# KiCad board FPGA_module.kicad_pcb
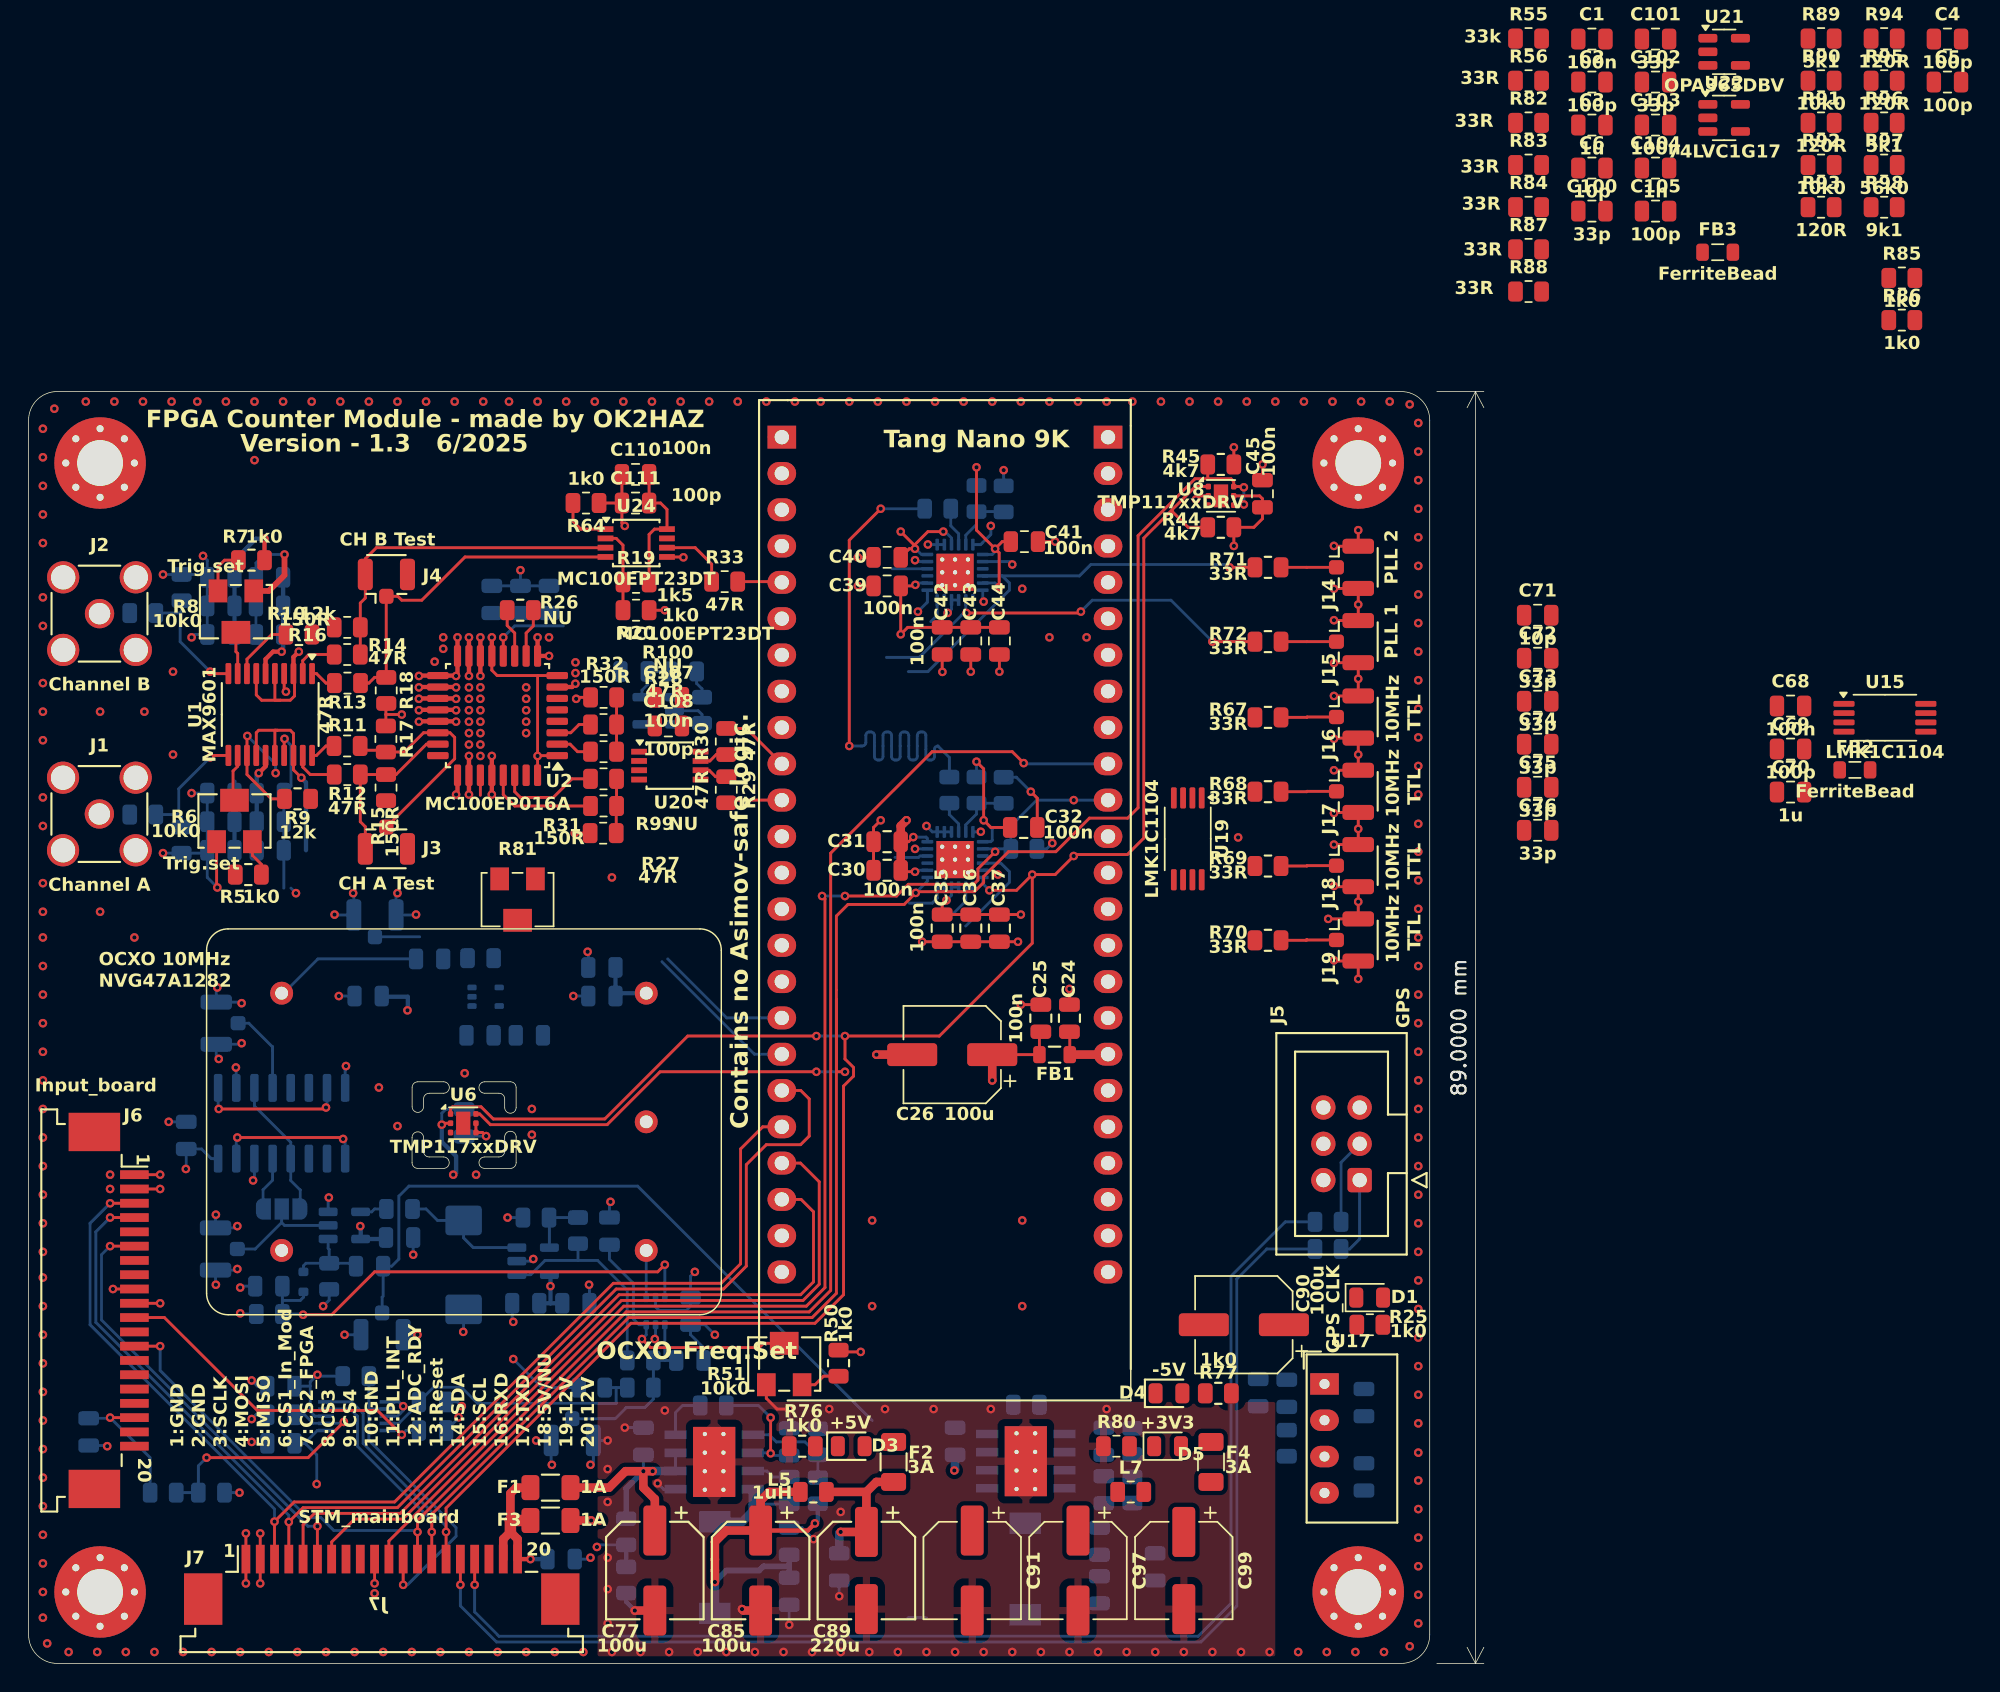
[diagram p0: board, top side]
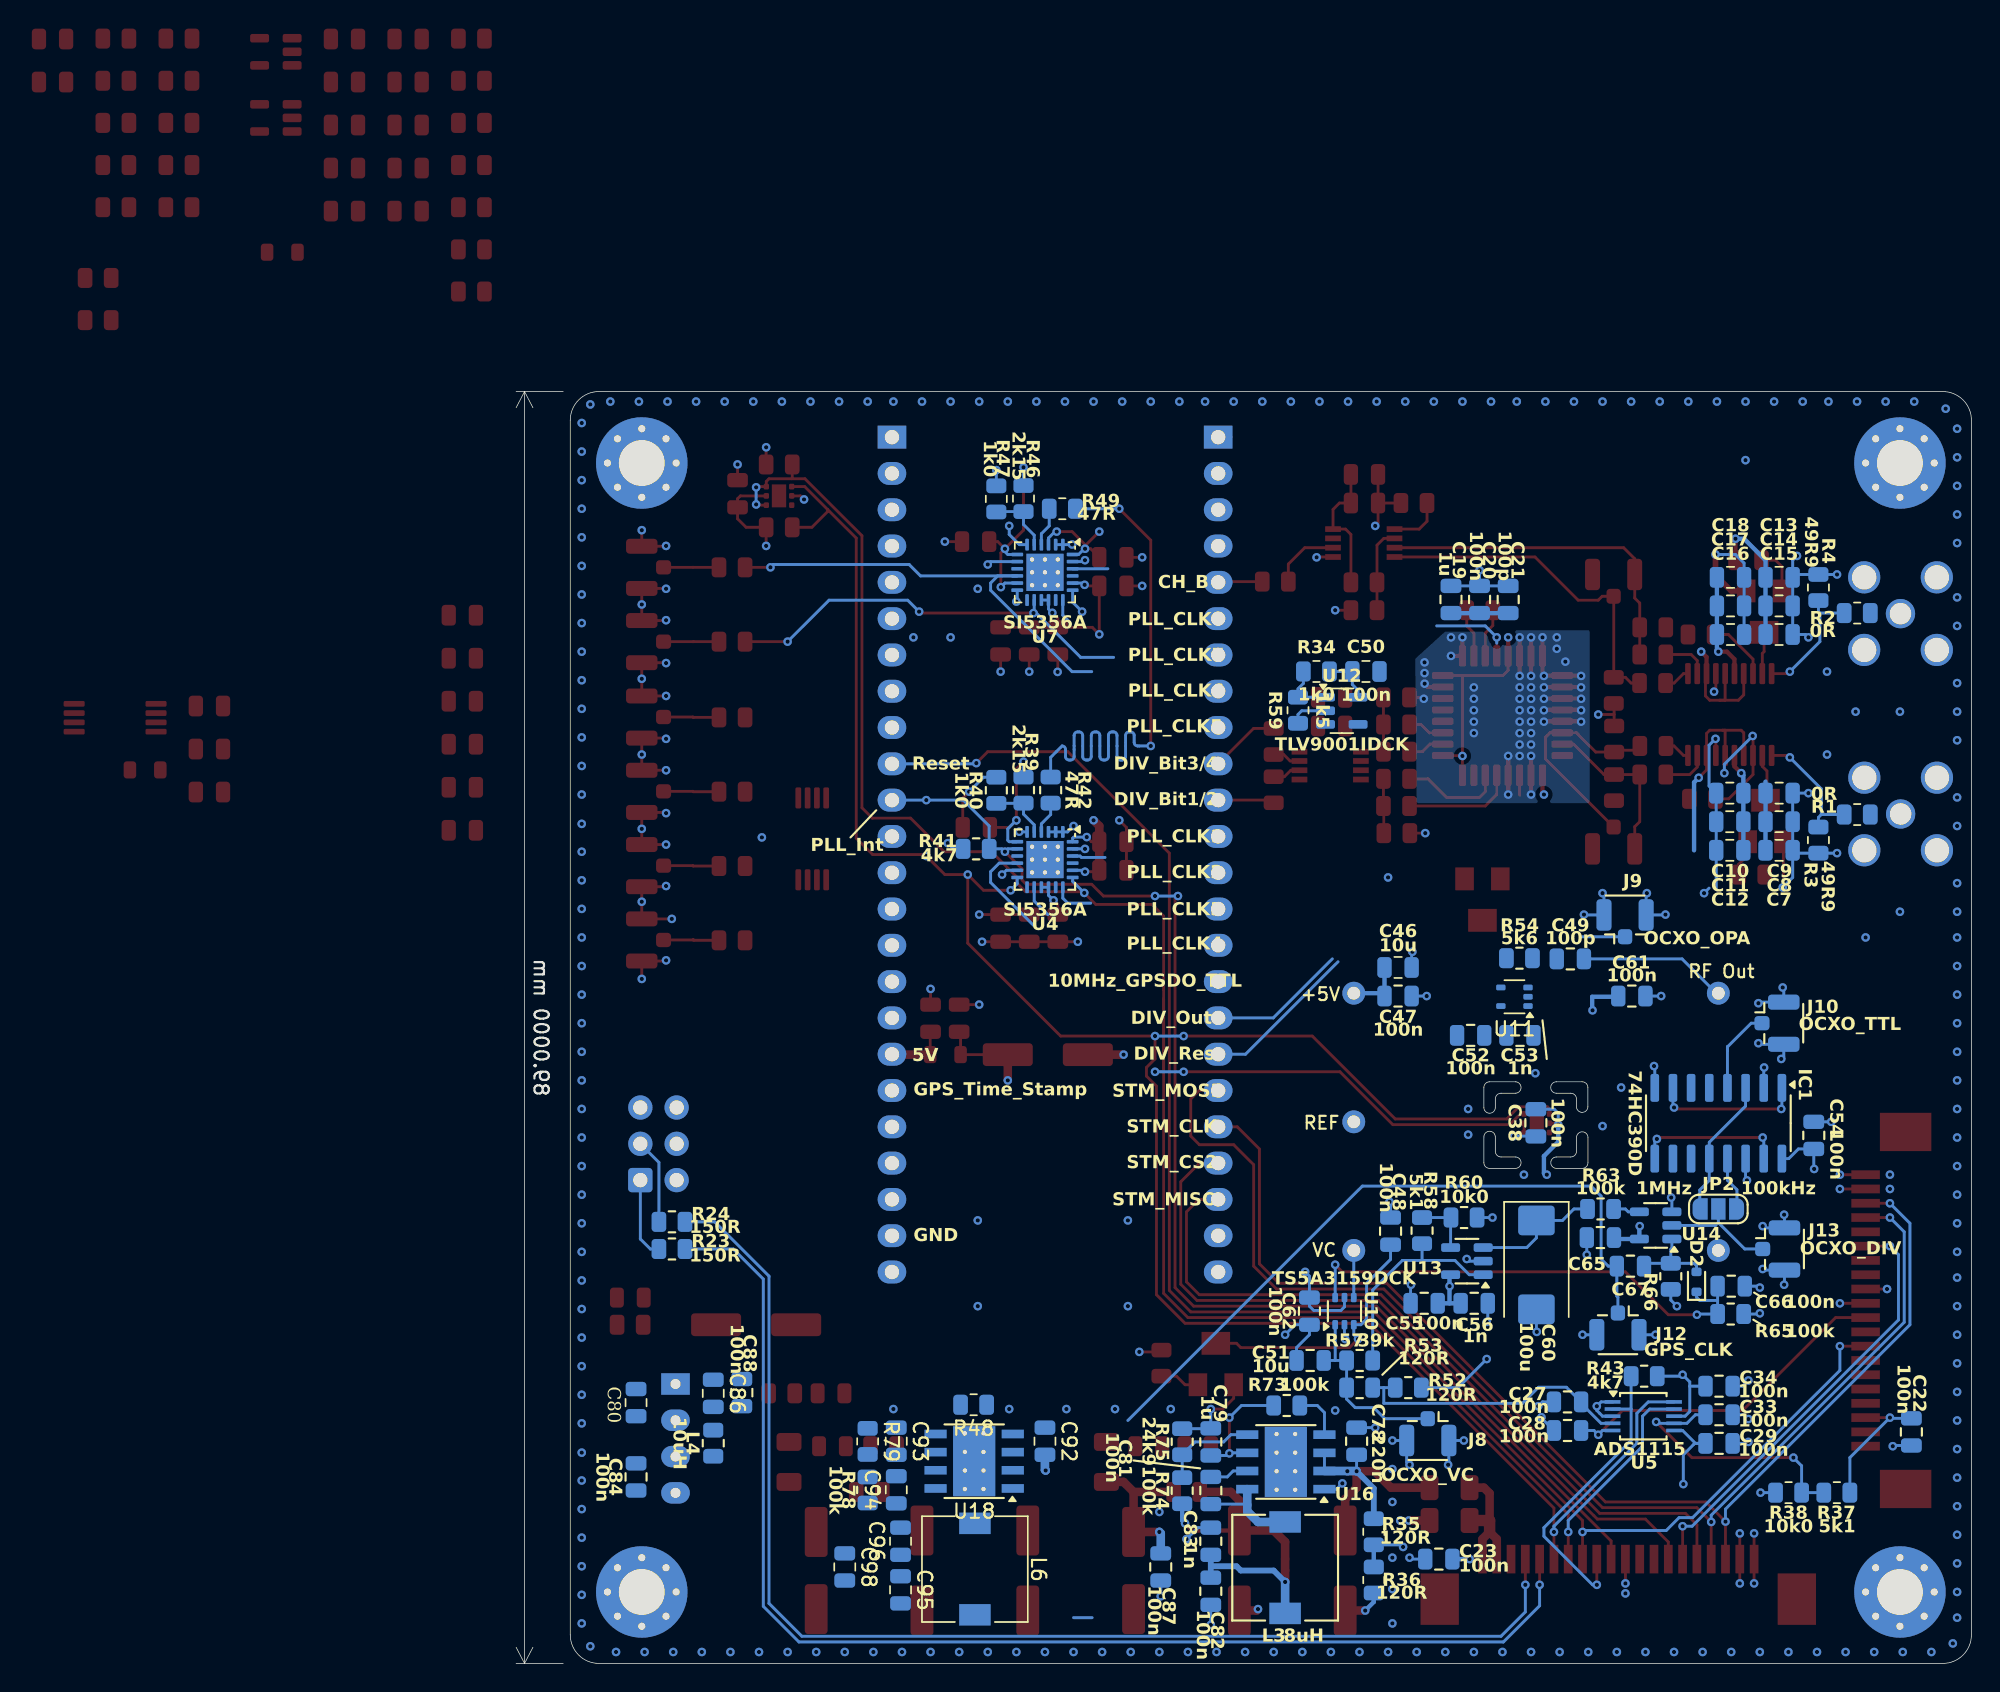
[diagram p1: board, bottom side, seen from below]

Outline 98 x 89 mm; copper layers: Top, In1.Cu, In2.Cu, Bottom. Coordinates in mm from the lower left corner of the outline.
Outline path: 0,87 arc(0.59,88.41) 2,89 96,89 arc(97.41,88.41) 98,87 98,2 arc(97.41,0.59) 96,0 2,0 arc(0.59,0.59) 0,2 0,87 ; 26.82,36.8 26.82,35.04 arc(26.94,34.76) 27.22,34.64 29.02,34.64 arc(29.42,35.04) 29.02,35.44 28.02,35.44 arc(27.74,35.56) 27.62,35.84 27.62,36.8 arc(27.22,37.2) 26.82,36.8 ; 26.83,40.3 26.83,38.96 arc(27.22,38.56) 27.62,38.96 27.62,39.5 arc(27.74,39.78) 28.03,39.9 29.03,39.9 arc(29.42,40.3) 29.03,40.7 27.22,40.7 arc(26.94,40.58) 26.83,40.3 ; 31.9,39.9 arc(31.5,40.3) 31.9,40.7 33.7,40.7 arc(33.98,40.58) 34.1,40.3 34.1,38.9 arc(33.7,38.5) 33.3,38.9 33.3,39.5 arc(33.18,39.78) 32.9,39.9 31.9,39.9 ; 31.9,35.44 32.9,35.44 arc(33.18,35.56) 33.3,35.84 33.3,36.84 arc(33.7,37.24) 34.1,36.84 34.1,35.04 arc(33.98,34.76) 33.7,34.64 31.9,34.64 arc(31.5,35.04) 31.9,35.44
Stack: Top 0.035mm / dielectric 0.2104mm FR4 er 4.5 / In1.Cu 0.0152mm / dielectric 1.065mm FR4 er 4.5 / In2.Cu 0.0152mm / dielectric 0.2104mm FR4 er 4.5 / Bottom 0.035mm

## Placement (name value [footprint] x y rotation side)
C1  100n  [C_0805_2012Metric]  109.34 113.67 0 top
C2  100p  [C_0805_2012Metric]  109.34 110.66 0 top
C3  1u  [C_0805_2012Metric]  109.34 107.65 0 top
C4  100p  [C_0805_2012Metric]  134.21 113.67 0 top
C5  100p  [C_0805_2012Metric]  134.21 110.66 0 top
C6  10p  [C_0805_2012Metric]  109.34 104.64 0 top
C7  1u  [C_0805_2012Metric]  13.45 56.9 180 bottom
C8  100n  [C_0805_2012Metric]  13.45 58.9 180 bottom
C9  100p  [C_0805_2012Metric]  13.45 60.9 180 bottom
C10  100p  [C_0805_2012Metric]  16.9 60.9 0 bottom
C11  100n  [C_0805_2012Metric]  16.9 58.9 0 bottom
C12  1u  [C_0805_2012Metric]  16.9 56.9 0 bottom
C13  1u  [C_0805_2012Metric]  13.45 76 180 bottom
C14  100n  [C_0805_2012Metric]  13.45 74 180 bottom
C15  100p  [C_0805_2012Metric]  13.45 72 180 bottom
C16  100p  [C_0805_2012Metric]  16.85 72 180 bottom
C17  100n  [C_0805_2012Metric]  16.85 74 180 bottom
C18  1u  [C_0805_2012Metric]  16.85 76 180 bottom
C19  1u  [C_0805_2012Metric]  36.4 74.45 270 bottom
C20  100n  [C_0805_2012Metric]  34.4 74.45 270 bottom
C21  100p  [C_0805_2012Metric]  32.4 74.45 270 bottom
C22  100n  [C_0805_2012Metric]  4.2 16.2 270 bottom
C23  100n  [C_0805_2012Metric]  37.25 7.3 180 bottom
C24  100n  [C_0805_2012Metric]  72.8 45.15 270 top
C25  100n  [C_0805_2012Metric]  70.8 45.15 270 top
C26  100u  [CP_Elec_6.3x5.4]  64.6 42.6 180 top
C27  100n  [C_0805_2012Metric]  28.25 18.3 180 bottom
C28  100n  [C_0805_2012Metric]  28.25 16.3 180 bottom
C29  100n  [C_0805_2012Metric]  17.65 15.4 0 bottom
C30  100n  [C_0805_2012Metric]  60.05 55.5 0 top
C31  100n  [C_0805_2012Metric]  60.05 57.5 0 top
C32  100n  [C_0805_2012Metric]  69.6 58.5 180 top
C33  100n  [C_0805_2012Metric]  17.65 17.4 0 bottom
C34  100n  [C_0805_2012Metric]  17.65 19.4 0 bottom
C35  100n  [C_0805_2012Metric]  63.9 51.45 270 top
C36  100n  [C_0805_2012Metric]  65.9 51.45 270 top
C37  100n  [C_0805_2012Metric]  67.9 51.45 270 top
C38  100n  [C_0805_2012Metric]  30.46 37.83 90 bottom
C39  100n  [C_0805_2012Metric]  60.05 75.4 0 top
C40  100n  [C_0805_2012Metric]  60.05 77.4 0 top
C41  100n  [C_0805_2012Metric]  69.65 78.5 180 top
C42  100n  [C_0805_2012Metric]  63.9 71.55 270 top
C43  100n  [C_0805_2012Metric]  65.9 71.55 270 top
C44  100n  [C_0805_2012Metric]  67.9 71.55 270 top
C45  100n  [C_0805_2012Metric]  86.3 81.85 90 top
C46  10u  [C_0805_2012Metric]  40.1 48.7 0 bottom
C47  100n  [C_0805_2012Metric]  40.1 46.7 0 bottom
C48  100n  [C_0805_2012Metric]  40.62 30.25 270 bottom
C49  100p  [C_0805_2012Metric]  28.05 49.3 180 bottom
C50  100n  [C_0805_2012Metric]  42.35 69.41 180 bottom
C51  10u  [C_0805_2012Metric]  46.25 21.2 180 bottom
C52  100n  [C_0805_2012Metric]  35.03 43.95 0 bottom
C53  1n  [C_0805_2012Metric]  31.58 43.95 180 bottom
C54  100n  [C_0805_2012Metric]  11.02 36.95 270 bottom
C55  100n  [C_0805_2012Metric]  38.28 25.2 0 bottom
C56  1n  [C_0805_2012Metric]  34.78 25.2 180 bottom
C60  100u  [CP_EIA-7343-31_Kemet-D]  30.42 27.89 270 bottom
C61  100n  [C_0805_2012Metric]  23.75 46.7 0 bottom
C62  100n  [C_0805_2012Metric]  46.3 24.65 90 bottom
C65  100n  [C_0805_2012Metric]  25.95 29.8 180 bottom
C66  100n  [C_0805_2012Metric]  16.8 26.4 0 bottom
C67  1n  [C_0805_2012Metric]  23.85 27.8 0 bottom
C68  100n  [C_0805_2012Metric]  123.24 67 0 top
C69  100p  [C_0805_2012Metric]  123.24 63.98 0 top
C70  1u  [C_0805_2012Metric]  123.24 60.97 0 top
C71  10p  [C_0805_2012Metric]  105.55 73.35 0 top
C72  33p  [C_0805_2012Metric]  105.55 70.34 0 top
C73  33p  [C_0805_2012Metric]  105.55 67.33 0 top
C74  33p  [C_0805_2012Metric]  105.55 64.32 0 top
C75  33p  [C_0805_2012Metric]  105.55 61.31 0 top
C76  33p  [C_0805_2012Metric]  105.55 58.3 0 top
C77  100u  [CP_Elec_6.3x5.4]  43.8 6.5 270 top
C78  220n  [C_0805_2012Metric]  43 15.55 270 bottom
C79  1u  [C_0805_2012Metric]  53.2 15.5 270 bottom
C80  100n  [C_0805_2012Metric]  93.4 18.25 90 bottom
C81  100n  [C_0805_2012Metric]  53.2 12.1 90 bottom
C82  100n  [C_0805_2012Metric]  53.2 5.05 270 bottom
C83  1n  [C_0805_2012Metric]  53.2 8.55 90 bottom
C84  100n  [C_0805_2012Metric]  93.4 13.05 90 bottom
C85  100u  [CP_Elec_6.3x5.4]  51.2 6.5 270 top
C86  1n  [C_0805_2012Metric]  88 18.9 270 bottom
C87  100n  [C_0805_2012Metric]  56.7 6.75 270 bottom
C88  100n  [C_0805_2012Metric]  86 18.95 270 bottom
C89  220u  [CP_Elec_6.3x7.7]  58.6 6.5 270 top
C90  100u  [CP_Elec_6.3x5.4]  85 23.7 180 top
C91  100u  [CP_Elec_6.3x5.4]  66 6.5 270 top
C92  220n  [C_0805_2012Metric]  64.8 15.55 270 bottom
C93  1u  [C_0805_2012Metric]  75.2 15.55 270 bottom
C94  100n  [C_0805_2012Metric]  75.2 12.15 90 bottom
C95  100n  [C_0805_2012Metric]  74.9 5.15 270 bottom
C96  1n  [C_0805_2012Metric]  74.9 8.55 90 bottom
C97  100u  [CP_Elec_6.3x5.4]  73.4 6.5 270 top
C98  100n  [C_0805_2012Metric]  78.8 6.75 270 bottom
C99  220u  [CP_Elec_6.3x7.7]  80.8 6.5 270 top
C100  33p  [C_0805_2012Metric]  109.34 101.63 0 top
C101  33p  [C_0805_2012Metric]  113.79 113.67 0 top
C102  33p  [C_0805_2012Metric]  113.79 110.66 0 top
C103  100n  [C_0805_2012Metric]  113.79 107.65 0 top
C104  1n  [C_0805_2012Metric]  113.79 104.64 0 top
C105  100p  [C_0805_2012Metric]  113.79 101.63 0 top
C107  100n  [C_0805_2012Metric]  44.75 67.6 0 top
C108  100p  [C_0805_2012Metric]  44.75 65.6 0 top
C110  100n  [C_0805_2012Metric]  42.45 83.2 0 top
C111  100p  [C_0805_2012Metric]  42.45 81.2 0 top
D1  GPS_CLK  [LED_0805_2012Metric]  93.8 25.6 0 top
D2  BAR64  [D_SOD-523]  19.22 26.7 90 bottom
D3  +5V  [LED_0805_2012Metric]  57.54 15.2 0 top
D4  -5V  [LED_0805_2012Metric]  79.76 18.9 0 top
D5  +3V3  [LED_0805_2012Metric]  79.66 15.2 0 top
F1  1A  [Fuse_1206_3216Metric]  36.5 12.3 0 top
F2  3A  [Fuse_1206_3216Metric]  60.5 14.1 90 top
F3  1A  [Fuse_1206_3216Metric]  36.5 10 0 top
F4  3A  [Fuse_1206_3216Metric]  82.7 14.1 90 top
FB1  FerriteBead  [L_0805_2012Metric]  71.76 42.6 0 top
FB2  FerriteBead  [L_0805_2012Metric]  127.74 62.53 0 top
FB3  FerriteBead  [L_0805_2012Metric]  118.14 98.75 0 top
H1  MH  [MountingHole_3.2mm_M3_Pad_Via]  5 84 0 top
H2  MH  [MountingHole_3.2mm_M3_Pad_Via]  93 84 0 top
H3  MH  [MountingHole_3.2mm_M3_Pad_Via]  5 5 0 top
H4  MH  [MountingHole_3.2mm_M3_Pad_Via]  93 5 0 top
IC1  74HC390D  [SOIC-16_3.9x9.9mm_P1.27mm]  17.7 37.8 270 bottom
J1  Channel A  [SMA_Amphenol_132134-11_Vertical]  4.95 59.44 0 top
J2  Channel B  [SMA_Amphenol_132134-11_Vertical]  4.96 73.46 0 top
J3  CH A Test  [U.FL_Hirose_U.FL-R-SMT-1_Vertical]  25.03 57.47 270 top
J4  CH B Test  [U.FL_Hirose_U.FL-R-SMT-1_Vertical]  25.03 75.72 90 top
J5  GPS  [IDC-Header_2x03_P2.54mm_Vertical]  93.1 33.82 180 top
J6  Input_board  [TE_2-84952-0_1x20-1MP_P1.0mm_Horizontal]  5.6 24.7 270 top
J7  STM_mainboard  [TE_2-84952-0_1x20-1MP_P1.0mm_Horizontal]  24.7 5.5 0 top
J8  OCXO_VC  [U.FL_Hirose_U.FL-R-SMT-1_Vertical]  38.03 16.07 270 bottom
J9  OCXO_OPA  [U.FL_Hirose_U.FL-R-SMT-1_Vertical]  24.22 51.9 90 bottom
J10  OCXO_TTL  [U.FL_Hirose_U.FL-R-SMT-1_Vertical]  13.6 44.8 180 bottom
J12  GPS_CLK  [U.FL_Hirose_U.FL-R-SMT-1_Vertical]  24.72 23.47 270 bottom
J13  OCXO_DIV  [U.FL_Hirose_U.FL-R-SMT-1_Vertical]  13.55 29 180 bottom
J14  PLL2_CLK2  [U.FL_Hirose_U.FL-R-SMT-1_Vertical]  92.53 76.7 0 top
J15  PLL2_CLK1  [U.FL_Hirose_U.FL-R-SMT-1_Vertical]  92.53 71.5 0 top
J16  10MHz TTL  [U.FL_Hirose_U.FL-R-SMT-1_Vertical]  92.53 66.22 0 top
J17  10MHz TTL  [U.FL_Hirose_U.FL-R-SMT-1_Vertical]  92.53 61.03 0 top
J18  10MHz TTL  [U.FL_Hirose_U.FL-R-SMT-1_Vertical]  92.53 55.83 0 top
J19  10MHz TTL  [U.FL_Hirose_U.FL-R-SMT-1_Vertical]  92.53 50.62 0 top
JP2  PLL_FREQ  [SolderJumper-3_P1.3mm_Open_RoundedPad1.0x1.5mm_NumberLabels]  17.7 31.8 0 bottom
L3  8uH  [L_7.3x7.3_H3.5]  48 6.7 270 bottom
L4  10uH  [R_0805_2012Metric]  88 15.41 90 bottom
L5  1uH  [R_0805_2012Metric]  54.89 12 0 top
L6  6u8H  [L_7.3x7.3_H3.5]  69.7 6.6 270 bottom
L7  1uH  [R_0805_2012Metric]  77.09 12 0 top
R1  0R  [R_0805_2012Metric]  7.99 59.4 0 bottom
R2  0R  [R_0805_2012Metric]  7.99 73.5 0 bottom
R3  49R9  [R_0805_2012Metric]  10.7 57.61 90 bottom
R4  49R9  [R_0805_2012Metric]  10.7 75.29 270 bottom
R5  1k0  [R_0805_2012Metric]  15.37 55.2 180 top
R6  10k0  [Potentiometer_Bourns_3224W_Vertical]  14.4 58.95 180 top
R7  1k0  [R_0805_2012Metric]  15.59 77.2 0 top
R8  10k0  [Potentiometer_Bourns_3224W_Vertical]  14.5 73.6 0 top
R9  12k  [R_0805_2012Metric]  18.81 60.5 180 top
R10  12k  [R_0805_2012Metric]  18.91 72 180 top
R11  47R  [R_0805_2012Metric]  22.28 64.2 0 top
R12  47R  [R_0805_2012Metric]  22.29 62.2 0 top
R13  47R  [R_0805_2012Metric]  22.3 68.6 0 top
R14  47R  [R_0805_2012Metric]  22.29 70.6 0 top
R15  150R  [R_0805_2012Metric]  25 61.29 90 top
R16  150R  [R_0805_2012Metric]  22.29 72.5 0 top
R17  150R  [R_0805_2012Metric]  24.99 64.69 270 top
R18  150R  [R_0805_2012Metric]  25.01 68.09 90 top
R19  1k0  [R_0805_2012Metric]  42.49 75.65 0 top
R20  1k5  [R_0805_2012Metric]  42.49 73.7 180 top
R23  150R  [R_0805_2012Metric]  90.89 29 0 bottom
R24  150R  [R_0805_2012Metric]  90.89 30.9 0 bottom
R25  1k0  [R_0805_2012Metric]  93.81 23.7 180 top
R26  NU  [R_0805_2012Metric]  34.39 73.7 0 top
R27  47R  [R_0805_2012Metric]  40.21 60 0 top
R28  47R  [R_0805_2012Metric]  40.21 63.8 0 top
R29  47R  [R_0805_2012Metric]  48.8 61.14 270 top
R30  47R  [R_0805_2012Metric]  48.8 64.51 90 top
R31  150R  [R_0805_2012Metric]  40.19 58.1 0 top
R32  150R  [R_0805_2012Metric]  40.22 67.6 0 top
R33  47R  [R_0805_2012Metric]  48.69 75.7 0 top
R34  1k0  [R_0805_2012Metric]  45.81 69.41 180 bottom
R35  120R  [R_0805_2012Metric]  41.8 9.21 90 bottom
R36  120R  [R_0805_2012Metric]  41.8 5.84 90 bottom
R37  5k1  [R_0805_2012Metric]  9.41 11.95 180 bottom
R38  10k0  [R_0805_2012Metric]  12.79 11.95 180 bottom
R39  2k15  [R_0805_2012Metric]  66.3 61.11 90 bottom
R40  1k0  [R_0805_2012Metric]  68.2 61.1 270 bottom
R41  4k7  [R_0805_2012Metric]  69.61 57 0 bottom
R42  47R  [R_0805_2012Metric]  64.4 61.11 270 bottom
R43  4k7  [R_0805_2012Metric]  22.89 20.1 180 bottom
R44  4k7  [R_0805_2012Metric]  83.39 79.5 0 top
R45  4k7  [R_0805_2012Metric]  83.39 83.9 0 top
R46  2k15  [R_0805_2012Metric]  66.3 81.51 90 bottom
R47  1k0  [R_0805_2012Metric]  68.2 81.49 270 bottom
R48  100k  [R_0805_2012Metric]  69.79 18.1 0 bottom
R49  47R  [R_0805_2012Metric]  63.59 80.8 0 bottom
R50  1k0  [R_0805_2012Metric]  56.65 21.01 90 top
R51  10k0  [Potentiometer_Bourns_3224W_Vertical]  52.85 20.95 180 top
R52  120R  [R_0805_2012Metric]  39.39 19.3 180 bottom
R53  120R  [R_0805_2012Metric]  42.79 19.3 180 bottom
R54  5k6  [R_0805_2012Metric]  31.61 49.35 0 bottom
R55  33k  [R_0805_2012Metric]  104.91 113.7 0 top
R56  33R  [R_0805_2012Metric]  104.91 110.75 0 top
R57  39k  [R_0805_2012Metric]  42.79 21.2 180 bottom
R58  5k1  [R_0805_2012Metric]  38.42 30.29 90 bottom
R59  1k5  [R_0805_2012Metric]  47.1 66.7 90 bottom
R60  10k0  [R_0805_2012Metric]  35.49 31.2 0 bottom
R63  100k  [R_0805_2012Metric]  25.94 31.8 180 bottom
R64  1k0  [R_0805_2012Metric]  38.99 81.2 180 top
R65  100k  [R_0805_2012Metric]  16.84 24.45 180 bottom
R66  100k  [R_0805_2012Metric]  21.03 27.09 90 bottom
R67  33R  [R_0805_2012Metric]  86.69 66.2 0 top
R68  33R  [R_0805_2012Metric]  86.69 61 0 top
R69  33R  [R_0805_2012Metric]  86.69 55.8 0 top
R70  33R  [R_0805_2012Metric]  86.69 50.6 0 top
R71  33R  [R_0805_2012Metric]  86.69 76.7 0 top
R72  33R  [R_0805_2012Metric]  86.69 71.5 0 top
R73  100k  [R_0805_2012Metric]  47.89 18.05 0 bottom
R74  100k  [R_0805_2012Metric]  55.2 12.09 270 bottom
R75  24k9  [R_0805_2012Metric]  55.2 15.51 270 bottom
R76  1k0  [R_0805_2012Metric]  54.11 15.2 0 top
R77  1k0  [R_0805_2012Metric]  83.21 18.9 0 top
R78  100k  [R_0805_2012Metric]  77.2 12.14 270 bottom
R79  43k2  [R_0805_2012Metric]  77.2 15.54 270 bottom
R80  1k0  [R_0805_2012Metric]  76.09 15.2 0 top
R81  10k0  [Potentiometer_Bourns_3224W_Vertical]  34.2 53.45 0 top
R82  33R  [R_0805_2012Metric]  104.91 107.8 0 top
R83  33R  [R_0805_2012Metric]  104.91 104.85 0 top
R84  33R  [R_0805_2012Metric]  104.91 101.9 0 top
R85  1k0  [R_0805_2012Metric]  131.02 96.95 0 top
R86  1k0  [R_0805_2012Metric]  131.02 94 0 top
R87  33R  [R_0805_2012Metric]  104.91 98.95 0 top
R88  33R  [R_0805_2012Metric]  104.91 96 0 top
R89  5k1  [R_0805_2012Metric]  125.37 113.7 0 top
R90  10k0  [R_0805_2012Metric]  125.37 110.75 0 top
R91  120R  [R_0805_2012Metric]  125.37 107.8 0 top
R92  10k0  [R_0805_2012Metric]  125.37 104.85 0 top
R93  120R  [R_0805_2012Metric]  125.37 101.9 0 top
R94  120R  [R_0805_2012Metric]  129.78 113.7 0 top
R95  120R  [R_0805_2012Metric]  129.78 110.75 0 top
R96  5k1  [R_0805_2012Metric]  129.78 107.8 0 top
R97  56k0  [R_0805_2012Metric]  129.78 104.85 0 top
R98  9k1  [R_0805_2012Metric]  129.78 101.9 0 top
R99  NU  [R_0805_2012Metric]  40.21 61.9 0 top
R100  NU  [R_0805_2012Metric]  40.21 65.7 0 top
U1  MAX9601  [TSSOP-20_4.4x6.5mm_P0.65mm]  16.9 66.4 270 top
U2  MC100EP016A  [LQFP-32_7x7mm_P0.8mm]  32.8 66.33 180 top
U3  ~  [DIP-48_TangNano9K]  64.09 56.6 270 top
U4  SI5356A  [QFN-24-1EP_4x4mm_P0.5mm_EP2.6x2.6mm_ThermalVias]  64.8 56.25 270 bottom
U5  ADS1115  [TSSOP-10_3x3mm_P0.5mm]  22.95 17.3 180 bottom
U6  TMP117xxDRV  [WSON-6-1EP_2x2mm_P0.65mm_EP1x1.6mm]  30.4 37.8 0 top
U7  SI5356A  [QFN-24-1EP_4x4mm_P0.5mm_EP2.6x2.6mm_ThermalVias]  64.8 76.35 270 bottom
U8  TMP117xxDRV  [WSON-6-1EP_2x2mm_P0.65mm_EP1x1.6mm]  83.4 81.7 0 top
U9  ~  [NVG47A1282]  30.45 37.9 0 top
U10  TS5A3159DCK  [SOT-363_SC-70-6]  43.85 24.65 90 bottom
U11  MIC920  [SOT-353_SC-70-5]  31.96 46.65 0 bottom
U12  TLV9001IDCK  [SOT-23-5]  44.04 66.66 180 bottom
U13  OPA365DBV  [SOT-23-5]  35.29 28.15 0 bottom
U14  74LVC1G86  [SOT-23-5]  22.09 30.65 0 bottom
U15  LMK1C1104  [TSSOP-8_4.4x3mm_P0.65mm]  129.84 66.17 0 top
U16  LMR33630ADDAR  [Texas_HSOP-8-1EP_3.9x4.9mm_P1.27mm_ThermalVias]  47.95 14.1 0 bottom
U17  B0505S-1W  [Converter_DCDC_Murata_CRE1xxxxxxSC_THT]  90.64 19.56 0 top
U18  LMR33630ADDAR  [Texas_HSOP-8-1EP_3.9x4.9mm_P1.27mm_ThermalVias]  69.75 14.15 0 bottom
U19  LMK1C1104  [TSSOP-8_4.4x3mm_P0.65mm]  81.07 57.7 270 top
U20  MC100EPT23DT  [TSSOP-8_3x3mm_P0.65mm]  44.85 62.83 0 top
U21  OPA365DBV  [SOT-23-5]  118.59 112.78 0 top
U22  74LVC1G17  [SOT-23-5]  118.59 108.15 0 top
U24  MC100EPT23DT  [TSSOP-8_3x3mm_P0.65mm]  42.5 78.4 0 top

## Library data of the parts
C1 C8 C11 C14 C17 C20 C22-C25 C27-C45 C47 C48 C50 C52 C54 C55 C61 C62 C65 C66 C68 C80-C82 C84 C87 C88 C94 C95 C98 C103 C107 C110 = -: Description: Unpolarized capacitor, small symbol; LCSC PN: C38141; LCSC link: https://www.lcsc.com/product-detail/Multilayer-Ceramic-Capacitors-MLCC-SMD-SMT_FH-Guangdong-Fenghua-Advanced-Tech-0805B104K500NT_C38141.html; ki_fp_filters: C_*
C2 C4 C5 C9 C10 C15 C16 C21 C49 C69 C105 C108 C111 = -: Description: Unpolarized capacitor, small symbol; LCSC PN: C1790; LCSC link: https://www.lcsc.com/product-detail/Multilayer-Ceramic-Capacitors-MLCC-SMD-SMT_Samsung-Electro-Mechanics-CL21C101JBANNNC_C1790.html; ki_fp_filters: C_*
C3 C7 C12 C13 C18 C19 C70 C79 C93 = -: Description: Unpolarized capacitor, small symbol; LCSC PN: C215803; LCSC link: https://www.lcsc.com/product-detail/Multilayer-Ceramic-Capacitors-MLCC-SMD-SMT_FH-Guangdong-Fenghua-Advanced-Tech-0805B105K500NT_C215803.html; ki_fp_filters: C_*
C6 C71 = -: Description: Unpolarized capacitor, small symbol; ki_fp_filters: C_*
C26 C77 C85 C90 C91 C97 = -: Description: Polarized capacitor, small symbol; LCSC PN: C2918360; LCSC link: https://www.lcsc.com/product-detail/Aluminum-Electrolytic-Capacitors-SMD_ROQANG-RVT1E101M0605_C2918360.html; ki_fp_filters: CP_*
C46 C51 = -: Description: Unpolarized capacitor, small symbol; LCSC PN: C1713; LCSC link: https://www.lcsc.com/product-detail/Multilayer-Ceramic-Capacitors-MLCC-SMD-SMT_Samsung-Electro-Mechanics-CL21A106KOQNNNE_C1713.html; ki_fp_filters: C_*
C53 C56 C67 C83 C86 C96 C104 = -: Description: Unpolarized capacitor, small symbol; LCSC PN: C94121; LCSC link: https://www.lcsc.com/product-detail/Multilayer-Ceramic-Capacitors-MLCC-SMD-SMT_YAGEO-CC0805KRX7R9BB102_C94121.html; ki_fp_filters: C_*
C60 = -: Description: Polarized capacitor, small symbol; LCSC PN: C7224; LCSC link: https://www.lcsc.com/product-detail/Tantalum-Capacitors_Kyocera-AVX-TAJD107K020RNJ_C7224.html?s_z=n_C7224; ki_fp_filters: CP_*
C72-C76 C100-C102 = -: Description: Unpolarized capacitor, small symbol; LCSC PN: C107115; LCSC Link: https://www.lcsc.com/product-detail/Multilayer-Ceramic-Capacitors-MLCC-SMD-SMT_YAGEO-CC0805JRNPO9BN330_C107115.html; ki_fp_filters: C_*
C78 C92 = -: Description: Unpolarized capacitor, small symbol; LCSC PN: C6119934; LCSC link: https://www.lcsc.com/product-detail/Multilayer-Ceramic-Capacitors-MLCC-SMD-SMT_HRE-CGA0805X7R224K500MT_C6119934.html; ki_fp_filters: C_*
C89 C99 = -: Description: Polarized capacitor, small symbol; LCSC PN: C2918361; LCSC link: https://www.lcsc.com/product-detail/Aluminum-Electrolytic-Capacitors-SMD_ROQANG-RVT1E221M0607_C2918361.html; ki_fp_filters: CP_*
D1 D3-D5 = -: Description: Light emitting diode; LCSC PN: C375456; LCSC link: https://www.lcsc.com/product-detail/LED-Indication-Discrete_EKINGLUX-E6C0805YGAC1UDA_C375456.html; ki_fp_filters: LED* LED_SMD:* LED_THT:*
D2 = -: Sim.Device: D; Sim.Pins: 1=K 2=A; LCSC Link: https://www.lcsc.com/product-detail/Diodes-General-Purpose_Shikues-BAR64-02V_C475616.html?s_z=n_BAR64-02V; LCSC PN: C475616; ki_fp_filters: D*SOD?123*
F1-F4 = -: Description: Fuse, small symbol; LCSC PN: C182445; LCSC link: https://www.lcsc.com/product-detail/Disposable-fuses_Shenzhen-lanson-Elec-12H1300C_C182445.html; ki_fp_filters: *Fuse*
FB1-FB3 = -: Description: Ferrite bead; LCSC PN: C81034; LCSC link: https://www.lcsc.com/product-detail/Ferrite-Beads_TDK-MPZ2012S601ATD25_C81034.html?s_z=n_C81034; ki_fp_filters: Inductor_* L_* *Ferrite*
H1-H4 = -: Description: Mounting Hole with connection; ki_fp_filters: MountingHole*Pad*
IC1 = -: LCSC PN: C5440882; LCSC link: https://www.lcsc.com/product-detail/Counters-Dividers_Nexperia-74HC390D-653_C5440882.html?s_z=n_74HC390D
J1 J2 = -: Description: coaxial connector (BNC, SMA, SMB, SMC, Cinch/RCA, LEMO, ...); LCSC PN: C2797251; LCSC link: https://www.lcsc.com/product-detail/Coaxial-Connectors-RF_Shenzhen-Kinghelm-Elec-KH-SMB-Z_C2797251.html?s_z=n_C2797251; ki_fp_filters: *BNC* *SMA* *SMB* *SMC* *Cinch* *LEMO* *UMRF* *MCX* *U.FL*
J3 J4 J8-J10 J12-J19 = -: Description: small coaxial connector (BNC, SMA, SMB, SMC, Cinch/RCA, LEMO, ...); LCSC PN: C411563; LCSC link: https://www.lcsc.com/product-detail/Coaxial-Connectors-RF_Shenzhen-Kinghelm-Elec-KH-IPEX-K501-29_C411563.html?s_z=n_C411563; ki_fp_filters: *BNC* *SMA* *SMB* *SMC* *Cinch* *LEMO* *UMRF* *MCX* *U.FL*
J5 = -: Description: Generic connector, double row, 02x03, odd/even pin numbering scheme (row 1 odd numbers, row 2 even numbers), script generated (kicad-library-utils/schlib/autogen/connector/); ki_fp_filters: Connector*:*_2x??_*
J6 J7 = -: Description: Generic connector, single row, 01x20, script generated (kicad-library-utils/schlib/autogen/connector/); LCSC PN: C2912860; LCSC link: https://www.lcsc.com/product-detail/FFC-FPC-Flat-Flexible-Connector-Assemblies_JUSHUO-AFA11-S20GLA-00_C2912860.html?s_z=n_C2912860; ki_fp_filters: Connector*:*_1x??_*
JP2 = -: Description: Solder Jumper, 3-pole, open; ki_fp_filters: SolderJumper*Open*
L3 = -: Description: Inductor; LCSC PN: C167222; LCSC link: https://www.lcsc.com/product-detail/Power-Inductors_cjiang-Changjiang-Microelectronics-Tech-FXL0630-8R2-M_C167222.html?s_z=n_C167222; ki_fp_filters: Choke_* *Coil* Inductor_* L_*
L4 = -: Description: Inductor; LCSC PN: C2831365; LCSC link: https://www.lcsc.com/product-detail/Power-Inductors_Sunltech-Tech-SLM2012100MIT_C2831365.html; ki_fp_filters: Choke_* *Coil* Inductor_* L_*
L5 L7 = -: Description: Inductor; LCSC PN: C17701176; LCSC link: https://www.lcsc.com/product-detail/Power-Inductors_MetalLions-MTQH201210S1R0MBT_C17701176.html?s_z=n_C17701176; ki_fp_filters: Choke_* *Coil* Inductor_* L_*